# KiCad board ButterStick.kicad_pcb (continued)
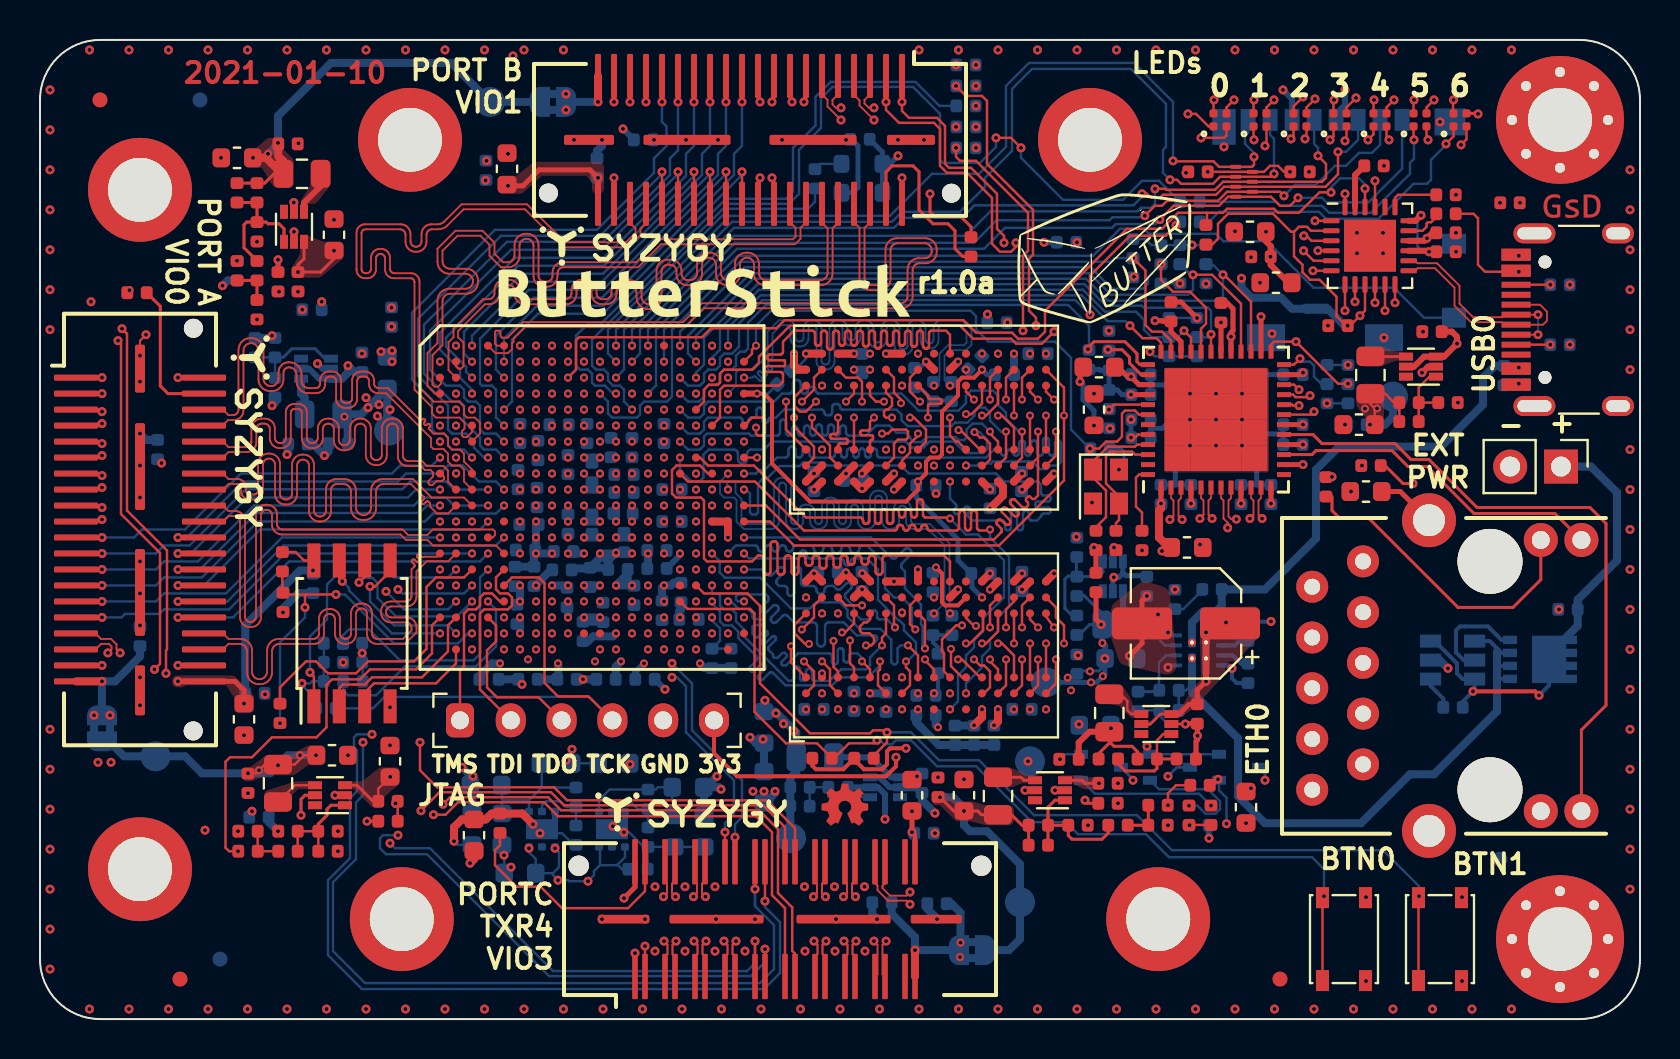
[diagram p0: board, top side]
## Routing (per net, layer and track width the routed paths; a pad name or vN(x,y) marks a point on that pad's centre or on a via; arc(x,y) is an arc through that point) (continued)
/SYZYGY1.D4_N: length 32.9
  Top w0.12: J4.15 37.5,46 v1(37.6,45.9)
  In2.Cu w0.089: v2(20,32.9) 20.38,33.27 20.38,36.95 23.15,39.72 23.65,39.72 23.73,39.72 23.81,39.69 23.88,39.64 23.94,39.58 23.99,39.51 24.02,39.43 24.03,39.35 24.03,39.2 24.03,39.17 24.04,39.13 24.06,39.11 24.08,39.08 24.11,39.06 24.14,39.05 24.18,39.05 24.38,39.05 24.41,39.05 24.44,39.06 24.47,39.08 24.49,39.11 24.51,39.13 24.52,39.17 24.53,39.2 24.53,39.35 24.53,39.43 24.56,39.51 24.61,39.58 24.67,39.64 24.74,39.69 24.82,39.72 24.9,39.72 25.15,39.72 25.23,39.72 25.31,39.69 25.38,39.64 25.44,39.58 25.49,39.51 25.52,39.43 25.53,39.35 25.53,39.2 25.53,39.17 25.54,39.13 25.56,39.11 25.58,39.08 25.61,39.06 25.64,39.05 25.68,39.05 25.88,39.05 25.91,39.05 25.94,39.06 25.97,39.08 25.99,39.11 26.01,39.13 26.02,39.17 26.03,39.2 26.03,39.35 26.03,39.43 26.06,39.51 26.11,39.58 26.17,39.64 26.24,39.69 26.32,39.72 26.4,39.72 26.65,39.72 26.73,39.72 26.81,39.69 26.88,39.64 26.94,39.58 26.99,39.51 27.02,39.43 27.03,39.35 27.03,39.2 27.03,39.17 27.04,39.13 27.06,39.11 27.08,39.08 27.11,39.06 27.14,39.05 27.18,39.05 27.38,39.05 27.41,39.05 27.44,39.06 27.47,39.08 27.49,39.11 27.51,39.13 27.52,39.17 27.53,39.2 27.53,39.35 27.53,39.43 27.56,39.51 27.61,39.58 27.67,39.64 27.74,39.69 27.82,39.72 27.9,39.72 29.25,39.72 30.75,41.22 37.3,41.22 37.78,41.7 37.78,42.47 37.77,42.51 37.76,42.55 37.74,42.58 37.71,42.61 37.68,42.63 37.64,42.65 37.6,42.65 37.42,42.65 37.33,42.66 37.25,42.69 37.17,42.74 37.11,42.8 37.06,42.88 37.03,42.96 37.02,43.05 37.02,43.1 37.03,43.19 37.06,43.27 37.11,43.35 37.17,43.41 37.25,43.46 37.33,43.49 37.42,43.5 37.6,43.5 37.64,43.5 37.68,43.52 37.71,43.54 37.74,43.57 37.76,43.6 37.77,43.64 37.78,43.67 37.78,45.72 v1(37.6,45.9)
/SYZYGY1.D4_P: length 32.9
  Top w0.12: v1(38.2,45.9) 38.3,46 J4.13
  In2.Cu w0.089: v2(20.8,33.7) 20.62,33.87 20.62,33.92 20.63,33.95 20.64,33.97 20.65,34 20.67,34.01 20.69,34.03 20.71,34.04 20.74,34.04 20.83,34.04 20.86,34.04 20.88,34.05 20.9,34.06 20.92,34.08 20.93,34.1 20.94,34.13 20.94,34.15 20.94,34.18 20.93,34.2 20.92,34.22 20.9,34.24 20.88,34.26 20.86,34.26 20.83,34.27 20.74,34.27 20.71,34.27 20.69,34.28 20.67,34.29 20.65,34.31 20.64,34.33 20.63,34.36 20.62,34.38 20.63,34.41 20.64,34.43 20.65,34.45 20.67,34.47 20.69,34.48 20.71,34.49 20.74,34.49 20.83,34.49 20.86,34.5 20.88,34.51 20.9,34.52 20.92,34.54 20.93,34.56 20.94,34.58 20.94,34.61 20.94,34.63 20.93,34.66 20.92,34.68 20.9,34.7 20.88,34.71 20.86,34.72 20.83,34.72 20.74,34.72 20.71,34.73 20.69,34.73 20.67,34.75 20.65,34.77 20.64,34.79 20.63,34.81 20.62,34.84 20.62,36.85 23.25,39.47 23.62,39.47 23.66,39.47 23.69,39.46 23.72,39.44 23.74,39.42 23.76,39.39 23.77,39.36 23.78,39.32 23.78,39.18 23.78,39.09 23.81,39.01 23.86,38.94 23.92,38.88 23.99,38.84 24.07,38.81 24.15,38.8 24.4,38.8 24.48,38.81 24.56,38.84 24.63,38.88 24.69,38.94 24.74,39.01 24.77,39.09 24.78,39.18 24.78,39.32 24.78,39.36 24.79,39.39 24.81,39.42 24.83,39.44 24.86,39.46 24.89,39.47 24.93,39.47 25.12,39.47 25.16,39.47 25.19,39.46 25.22,39.44 25.24,39.42 25.26,39.39 25.27,39.36 25.28,39.32 25.28,39.18 25.28,39.09 25.31,39.01 25.36,38.94 25.42,38.88 25.49,38.84 25.57,38.81 25.65,38.8 25.9,38.8 25.98,38.81 26.06,38.84 26.13,38.88 26.19,38.94 26.24,39.01 26.27,39.09 26.28,39.18 26.28,39.32 26.28,39.36 26.29,39.39 26.31,39.42 26.33,39.44 26.36,39.46 26.39,39.47 26.43,39.47 26.62,39.47 26.66,39.47 26.69,39.46 26.72,39.44 26.74,39.42 26.76,39.39 26.77,39.36 26.78,39.32 26.78,39.18 26.78,39.09 26.81,39.01 26.86,38.94 26.92,38.88 26.99,38.84 27.07,38.81 27.15,38.8 27.4,38.8 27.48,38.81 27.56,38.84 27.63,38.88 27.69,38.94 27.74,39.01 27.77,39.09 27.78,39.18 27.78,39.32 27.78,39.36 27.79,39.39 27.81,39.42 27.83,39.44 27.86,39.46 27.89,39.47 27.93,39.47 29.35,39.47 30.85,40.97 37.4,40.97 38.03,41.6 38.03,42.5 38.01,42.59 37.99,42.67 37.94,42.75 37.87,42.81 37.8,42.86 37.71,42.89 37.62,42.9 37.45,42.9 37.41,42.9 37.37,42.92 37.34,42.94 37.31,42.97 37.29,43 37.28,43.04 37.27,43.07 37.28,43.11 37.29,43.15 37.31,43.18 37.34,43.21 37.37,43.23 37.41,43.25 37.45,43.25 37.62,43.25 37.71,43.26 37.8,43.29 37.87,43.34 37.94,43.4 37.99,43.48 38.01,43.56 38.03,43.65 38.03,45.72 v1(38.2,45.9)
/SYZYGY1.D5_N: length 35.8
  Top w0.089: J4.16 37.5,39.87 37.78,39.6 37.78,39.15 37.65,39.02 30.95,39.02 29.8,37.87 26.14,37.87 26.03,37.86 25.92,37.82 25.82,37.76 25.74,37.68 25.68,37.58 25.64,37.47 25.62,37.36 25.62,37.2 25.62,37.13 25.6,37.07 25.56,37.01 25.51,36.97 25.46,36.93 25.39,36.91 25.32,36.9 25.22,36.9 25.16,36.91 25.09,36.93 25.04,36.97 24.99,37.01 24.95,37.07 24.93,37.13 24.93,37.2 24.93,38.73 24.91,38.86 24.87,38.98 24.8,39.09 24.71,39.18 24.6,39.24 24.49,39.29 24.36,39.3 24.29,39.3 24.16,39.29 24.05,39.24 23.94,39.18 23.85,39.09 23.78,38.98 23.74,38.86 23.72,38.73 23.72,38.22 23.72,38.15 23.69,38.07 23.65,38.01 23.59,37.95 23.53,37.91 23.45,37.88 23.38,37.87 23.15,37.87 22.72,38.3 22.72,38.85 22.13,39.45 20.77,39.45 19.88,38.55 19.88,37.89 19.89,37.76 19.93,37.63 20,37.52 20.1,37.43 20.21,37.36 20.33,37.31 20.46,37.3 21.28,37.3 21.36,37.29 21.44,37.26 21.51,37.22 21.57,37.16 21.61,37.09 21.64,37.01 21.65,36.92 21.64,36.84 21.61,36.76 21.57,36.69 21.51,36.63 21.44,36.59 21.36,36.56 21.28,36.55 20.46,36.55 20.33,36.54 20.21,36.49 20.1,36.42 20,36.33 19.93,36.22 19.89,36.09 19.88,35.96 19.88,33.83 19.38,33.33 19.38,31.67 19.75,31.3 U4.D1
/SYZYGY1.D5_P: length 35.8
  Top w0.089: J4.14 38.3,39.87 38.03,39.6 38.03,39.05 37.75,38.77 31.05,38.77 29.9,37.62 26.18,37.62 26.11,37.62 26.04,37.6 25.99,37.56 25.94,37.51 25.9,37.46 25.88,37.39 25.88,37.32 25.88,37.17 25.86,37.05 25.82,36.94 25.76,36.85 25.68,36.76 25.58,36.7 25.47,36.66 25.36,36.65 25.19,36.65 25.08,36.66 24.97,36.7 24.87,36.76 24.79,36.85 24.73,36.94 24.69,37.05 24.68,37.17 24.68,38.7 24.67,38.78 24.64,38.85 24.6,38.92 24.54,38.97 24.48,39.02 24.4,39.04 24.32,39.05 24.25,39.04 24.17,39.02 24.11,38.97 24.05,38.92 24.01,38.85 23.98,38.78 23.97,38.7 23.97,38.19 23.96,38.06 23.92,37.95 23.85,37.84 23.76,37.75 23.65,37.68 23.54,37.64 23.41,37.62 23.05,37.62 22.47,38.2 22.47,38.75 22.02,39.2 20.88,39.2 20.12,38.45 20.12,37.92 20.13,37.84 20.16,37.76 20.21,37.69 20.27,37.63 20.34,37.59 20.42,37.56 20.5,37.55 21.31,37.55 21.44,37.54 21.57,37.49 21.68,37.42 21.77,37.33 21.84,37.22 21.89,37.09 21.9,36.96 21.9,36.89 21.89,36.76 21.84,36.63 21.77,36.52 21.68,36.43 21.57,36.36 21.44,36.31 21.31,36.3 20.5,36.3 20.42,36.29 20.34,36.26 20.27,36.22 20.21,36.16 20.16,36.09 20.13,36.01 20.12,35.92 20.12,33.73 19.62,33.23 19.62,31.75 19.72,31.65 19.9,31.65 20.05,31.8 20.05,32.05 U4.C1
/SYZYGY1.D6_N: length 32.9
  Top w0.12: J4.19 35.9,46 v1(36,45.9)
  In2.Cu w0.089: v2(21.6,30.5) 21.2,30.9 21.2,31.95 20.95,32.2 20.88,32.2 20.85,32.2 20.83,32.19 20.8,32.18 20.79,32.16 20.77,32.14 20.76,32.11 20.76,32.09 20.76,31.86 20.76,31.83 20.75,31.81 20.74,31.79 20.72,31.77 20.7,31.75 20.67,31.75 20.65,31.74 20.62,31.75 20.6,31.75 20.58,31.77 20.56,31.79 20.54,31.81 20.54,31.83 20.53,31.86 20.53,32.09 20.53,32.11 20.52,32.14 20.51,32.16 20.49,32.18 20.47,32.19 20.44,32.2 20.42,32.2 20.39,32.2 20.37,32.19 20.35,32.18 20.33,32.16 20.32,32.14 20.31,32.11 20.31,32.09 20.31,31.86 20.3,31.83 20.29,31.81 20.28,31.79 20.26,31.77 20.24,31.75 20.22,31.75 20.19,31.74 20.17,31.75 20.14,31.75 20.12,31.77 20.1,31.79 20.09,31.81 20.08,31.83 20.08,31.86 20.08,32.09 20.07,32.11 20.07,32.14 20.05,32.16 20.03,32.18 20.01,32.19 19.99,32.2 19.96,32.2 19.67,32.2 19.22,32.65 19.22,37 22.75,40.52 28.05,40.52 30.85,43.32 35.55,43.32 36.18,43.95 36.18,45.72 v1(36,45.9)
/SYZYGY1.D6_P: length 32.9
  Top w0.12: J4.17 36.7,46 v1(36.6,45.9)
  In2.Cu w0.089: v2(22.4,29.7) 22,30.1 22,32.2 21.75,32.45 19.78,32.45 19.47,32.75 19.47,36.9 22.85,40.27 28.15,40.27 30.95,43.07 35.65,43.07 36.43,43.85 36.43,45.72 v1(36.6,45.9)
/SYZYGY1.D7_N: length 32.9
  Top w0.12: J4.20 35.9,42 v1(36,42.1)
  In5.Cu w0.089: v1(36,42.1) 36.18,41.92 36.18,40.45 35.2,39.47 32.8,39.47 32.74,39.48 32.68,39.5 32.63,39.53 32.58,39.58 32.55,39.63 32.53,39.69 32.53,39.75 32.53,40.21 32.51,40.32 32.48,40.43 32.42,40.52 32.34,40.6 32.24,40.66 32.14,40.69 32.03,40.71 31.97,40.71 31.86,40.69 31.76,40.66 31.66,40.6 31.58,40.52 31.52,40.43 31.49,40.32 31.47,40.21 31.47,39.75 31.47,39.69 31.45,39.63 31.42,39.58 31.37,39.53 31.32,39.5 31.26,39.48 31.2,39.47 31.14,39.48 31.08,39.5 31.03,39.53 30.98,39.58 30.95,39.63 30.93,39.69 30.93,39.75 30.93,40.21 30.91,40.32 30.88,40.43 30.82,40.52 30.74,40.6 30.64,40.66 30.54,40.69 30.43,40.71 30.37,40.71 30.26,40.69 30.16,40.66 30.06,40.6 29.98,40.52 29.92,40.43 29.89,40.32 29.88,40.21 29.88,39.75 29.87,39.69 29.85,39.63 29.82,39.58 29.77,39.53 29.72,39.5 29.66,39.48 29.6,39.47 27.7,39.47 26.76,38.53 26.68,38.43 26.62,38.31 26.59,38.18 26.59,38.05 26.62,37.92 26.68,37.8 26.76,37.7 26.87,37.59 26.92,37.52 26.96,37.45 26.98,37.36 26.98,37.28 26.96,37.2 26.92,37.12 26.87,37.06 26.81,37 26.73,36.97 26.65,36.95 26.56,36.95 26.48,36.97 26.41,37 26.34,37.06 25.43,37.97 25.33,38.05 25.21,38.11 25.08,38.14 24.95,38.14 24.82,38.11 24.7,38.05 24.6,37.97 24.55,37.92 24.47,37.81 24.41,37.69 24.38,37.56 24.38,37.43 24.41,37.3 24.47,37.19 24.55,37.08 24.66,36.97 24.71,36.9 24.75,36.83 24.77,36.75 24.77,36.66 24.75,36.58 24.71,36.5 24.66,36.44 23.6,35.37 21.35,35.37 19.28,33.3 19.28,31.85 20,31.12 v2(20,30.5)
/SYZYGY1.D7_P: length 32.9
  Top w0.12: v1(36.6,42.1) 36.7,42 J4.18
  In5.Cu w0.089: v2(20.8,31.3) 20.18,31.3 20.11,31.36 20.1,31.38 20.09,31.4 20.09,31.42 20.09,31.44 20.09,31.46 20.1,31.47 20.13,31.51 20.14,31.52 20.14,31.54 20.14,31.56 20.14,31.58 20.13,31.6 20.12,31.62 20.1,31.63 20.08,31.64 20.06,31.64 20.04,31.64 20.02,31.64 20,31.63 19.97,31.6 19.95,31.59 19.93,31.59 19.91,31.59 19.9,31.59 19.88,31.6 19.86,31.62 19.53,31.95 19.53,33.2 21.45,35.12 23.7,35.12 24.86,36.29 24.95,36.39 25,36.51 25.03,36.64 25.03,36.77 25,36.9 24.95,37.02 24.86,37.12 24.75,37.23 24.7,37.3 24.66,37.38 24.64,37.46 24.64,37.54 24.66,37.62 24.7,37.7 24.75,37.76 24.82,37.82 24.89,37.85 24.97,37.87 25.06,37.87 25.14,37.85 25.21,37.82 25.28,37.76 26.19,36.85 26.29,36.77 26.41,36.72 26.54,36.69 26.67,36.69 26.8,36.72 26.92,36.77 27.02,36.85 27.07,36.91 27.16,37.01 27.21,37.13 27.24,37.26 27.24,37.39 27.21,37.52 27.16,37.64 27.07,37.74 26.96,37.85 26.91,37.92 26.87,37.99 26.85,38.08 26.85,38.16 26.87,38.24 26.91,38.32 26.96,38.38 27.8,39.22 29.63,39.22 29.74,39.24 29.84,39.27 29.94,39.33 30.02,39.41 30.08,39.51 30.11,39.61 30.12,39.72 30.12,40.18 30.13,40.24 30.15,40.3 30.18,40.35 30.23,40.4 30.28,40.43 30.34,40.45 30.4,40.46 30.46,40.45 30.52,40.43 30.57,40.4 30.62,40.35 30.65,40.3 30.67,40.24 30.68,40.18 30.68,39.72 30.69,39.61 30.72,39.51 30.78,39.41 30.86,39.33 30.96,39.27 31.06,39.24 31.17,39.22 31.23,39.22 31.34,39.24 31.44,39.27 31.54,39.33 31.62,39.41 31.68,39.51 31.71,39.61 31.72,39.72 31.72,40.18 31.73,40.24 31.75,40.3 31.78,40.35 31.83,40.4 31.88,40.43 31.94,40.45 32,40.46 32.06,40.45 32.12,40.43 32.17,40.4 32.22,40.35 32.25,40.3 32.27,40.24 32.28,40.18 32.28,39.72 32.29,39.61 32.32,39.51 32.38,39.41 32.46,39.33 32.56,39.27 32.66,39.24 32.77,39.22 35.3,39.22 36.43,40.35 36.43,41.92 v1(36.6,42.1)
/SYZYGY1.P2C_CLK_N: length 32.9
  Top w0.12: J4.35 v1(29.5,45.9)
  In5.Cu w0.089: v2(20.8,30.5) 21.18,30.12 21.18,29.57 20.9,29.3 19.03,29.3 18.53,29.8 18.53,38.1 19.55,39.12 20.23,39.12 20.36,39.11 20.48,39.07 20.59,39 20.68,38.91 20.74,38.8 20.79,38.69 20.8,38.56 20.8,37.9 20.81,37.82 20.83,37.74 20.88,37.68 20.93,37.62 21,37.58 21.07,37.55 21.15,37.55 21.23,37.55 21.3,37.58 21.37,37.62 21.42,37.68 21.47,37.74 21.49,37.82 21.5,37.9 21.5,38.56 21.51,38.69 21.56,38.8 21.62,38.91 21.71,39 21.82,39.07 21.94,39.11 22.07,39.12 24.7,39.12 26.5,40.92 28.65,40.92 29.78,42.05 29.78,45.62 v1(29.5,45.9)
/SYZYGY1.P2C_CLK_P: length 32.9
  Top w0.12: J4.33 v1(30.3,45.9)
  In5.Cu w0.089: v1(30.3,45.9) 30.03,45.62 30.03,41.95 28.75,40.67 26.6,40.67 24.8,38.87 22.1,38.87 22.02,38.87 21.95,38.84 21.88,38.8 21.83,38.74 21.78,38.68 21.76,38.6 21.75,38.52 21.75,37.86 21.74,37.74 21.69,37.62 21.63,37.51 21.54,37.42 21.43,37.35 21.31,37.31 21.18,37.3 21.12,37.3 20.99,37.31 20.87,37.35 20.76,37.42 20.67,37.51 20.61,37.62 20.56,37.74 20.55,37.86 20.55,38.52 20.54,38.6 20.52,38.68 20.47,38.74 20.42,38.8 20.35,38.84 20.28,38.87 20.2,38.87 19.65,38.87 18.78,38 18.78,29.87 19,29.65 19.08,29.65 19.12,29.7 19.12,30.11 19.2,30.19 19.28,30.19 19.35,30.11 19.35,29.57 19.42,29.5 19.53,29.5 19.6,29.57 19.6,29.95 19.75,30.1 20.12,30.1 20.28,30.25 20.47,30.25 20.62,30.1 20.72,30.1 20.8,30.02 v2(20.8,29.7)
/SYZYGY1.R_GA: length 9.5
  Top w0.15: R2.1 46.13,38.16 45.75,38.55 45.75,39.45 45.4,39.8 44.65,39.8 43.95,40.5 43.95,42.4 43.65,42.7 42.6,42.7 42.3,42.4 J4.4
/SYZYGY1.S16: length 21.2
  Top w0.12: J4.21 v1(35.1,45.9)
  Bottom w0.12: v2(23.2,32.9) 23.2,34.05 24.85,35.7 28.15,35.7 34.7,42.25 34.7,43.3 35.1,43.7 v1(35.1,45.9)
/SYZYGY1.S17: length 20.3
  Top w0.12: J4.22 v1(35.1,42.4)
  Bottom w0.12: v2(23.2,30.5) 23.6,30.9 23.6,34 24.9,35.3 28.15,35.3 35.1,42.25 v1(35.1,42.4)
/SYZYGY1.S18: length 25.6
  Top w0.12: J4.23 v1(34.3,45.9)
  Bottom w0.12: v1(34.3,45.9) 34.3,43.7 33.9,43.3 33.9,42.25 28.15,36.5 24.45,36.5 22,34.05 22,31.8 22.1,31.7 22.6,31.7 22.8,31.5 22.8,30.1 v2(23.2,29.7)
/SYZYGY1.S19: length 18.8
  Top w0.12: J4.24 v1(34.3,42.4)
  Bottom w0.12: v2(23.2,32.1) 22.8,32.5 22.8,34.2 24.7,36.1 28.1,36.1 34.3,42.3 v1(34.3,42.4)
/SYZYGY1.S20: length 21.9
  Top w0.12: J4.25 v1(33.5,45.9)
  Bottom w0.12: v1(33.5,45.9) 33.5,43.7 33.1,43.3 33.1,42.25 28.15,37.3 24.1,37.3 21.2,34.4 21.2,33.3 v2(21.6,32.9)
/SYZYGY1.S21: length 17.5
  Top w0.12: J4.26 v1(33.5,42.4)
  Bottom w0.12: v1(33.5,42.4) 33.5,42.3 28.1,36.9 24.3,36.9 21.6,34.2 v2(21.6,33.7)
/SYZYGY1.S22: length 24.4
  Top w0.12: J4.27 v1(32.7,45.9)
  Bottom w0.12: v2(21.6,31.3) 21.6,31.5 21,32.1 21,32.5 20,33.5 20,34.35 23.75,38.1 28.2,38.1 32.3,42.2 32.3,43.3 32.7,43.7 v1(32.7,45.9)
/SYZYGY1.S23: length 20.1
  Top w0.12: J4.28 v1(32.7,42.4)
  Bottom w0.12: v2(21.6,32.1) 21.3,32.4 21.3,32.65 20.3,33.65 20.3,34.1 23.9,37.7 28.2,37.7 32.7,42.2 v1(32.7,42.4)
/SYZYGY1.S24: length 29.4
  Top w0.12: J4.29 v1(31.9,45.9)
  Bottom w0.12: v2(23.2,28.1) 22.8,28.5 22.2,28.5 22,28.7 22,29.1 21.2,29.9 21.2,30.7 21,30.9 20.6,30.9 19.2,32.3 19.2,34.75 23.35,38.9 28.15,38.9 31.5,42.25 31.5,43.07 31.9,43.47 v1(31.9,45.9)
/SYZYGY1.S25: length 25.4
  Top w0.12: J4.30 v1(31.9,42.4)
  Bottom w0.12: v2(23.2,28.9) 22.8,29.3 22.2,29.3 22,29.5 22,30.7 21.8,30.9 21.4,30.9 21.2,31.1 21.2,31.5 21,31.7 20.3,31.7 19.5,32.5 19.5,34.45 23.55,38.5 28.1,38.5 31.9,42.3 v1(31.9,42.4)
/SYZYGY1.S26: length 29.3
  Top w0.12: J4.31 v1(31.1,45.9)
  Bottom w0.12: v2(21.6,28.1) 21.2,28.5 20.6,28.5 20.4,28.7 20.4,29.1 20.2,29.3 19.8,29.3 19.6,29.5 19.6,31 18.6,32 18.6,35.35 22.75,39.5 27.85,39.5 30.7,42.35 30.7,43.07 31.32,43.7 31.32,44.67 31.1,44.9 v1(31.1,45.9)
/SYZYGY1.S27: length 25.8
  Top w0.12: J4.32 v1(31.1,42.4)
  Bottom w0.12: v1(31.1,42.4) 31.1,42.3 28,39.2 23.05,39.2 18.9,35.05 18.9,32.2 20.4,30.7 20.4,29.5 20.6,29.3 21.3,29.3 21.7,28.9 21.7,28.6 22.2,28.1 v2(22.4,28.1)
/SYZYGY1.VIO1: length 7.5
  Top w0.4: J4.39 v1(27.9,45.9)
  In3.Cu w0.12: 21.6,40.2 20,38.6 ; 25.2,44.4 v1(26.3,45.5)
  Bottom w0.3: v1(22.28,41.97) 22.29,41.99 C158.1 ; C161.1 v1(17.58,35.6) ; v1(29.15,44.55) 29.69,44.01 C162.1
  Bottom w0.4: JP2.2 v1(27.9,45.9)
  vias: v1(26.3,46.3) v2(24,28.1) v2(24,27.3) v2(24.8,28.1)
/SYZYGY2.C2P_CLK_N: length 39.6
  Top w0.089: J5.36 42.25,6.8 42.12,6.67 42.12,6.55 42.5,6.17 43.32,6.17 v1(43.5,6.36)
  In5.Cu w0.089: 34.12,18.37 34.12,18.4 34.12,17.2 37.68,13.65 39.78,13.65 42.97,10.45 42.97,6.35 43.15,6.17 43.32,6.17 v1(43.5,6.36)
  In5.Cu w0.12: 34.12,18.4 34.12,18.62 34,18.75 34,19.5 33.8,19.7 33.4,19.7 33.2,19.9 33.2,20.3 33,20.5 32.6,20.5 31.8,21.3 31,21.3 30.8,21.5 30.8,21.9 30.45,22.25 30.01,22.25 29.2,23.06 29.2,29.85 28.95,30.1 28.68,30.1 28.4,30.37 28.4,31.5 28.2,31.7 27.8,31.7 27.6,31.9 27.6,32.2 27.2,32.6 v2(27.2,32.9)
/SYZYGY2.C2P_CLK_P: length 41.7
  Top w0.089: J5.34 41.75,6.81 41.88,6.68 41.88,6.45 42.4,5.92 43.32,5.92 v1(43.5,5.74)
  In5.Cu w0.089: v1(43.5,5.74) 43.32,5.92 43.05,5.92 42.72,6.25 42.72,10.35 39.67,13.4 37.57,13.4 33.88,17.1 33.88,18.4
  In5.Cu w0.12: 33.88,18.4 33.88,18.5 33.2,19.17 33.2,19.5 33,19.7 32.6,19.7 32.4,19.9 32.4,20.3 32.2,20.5 31,20.5 30.8,20.7 30.8,21.1 30.6,21.3 30.2,21.3 30,21.5 30,21.85 29.35,22.5 28.85,22.5 28.4,22.95 28.4,29.82 28.12,30.1 27.88,30.1 27.6,30.37 27.6,31.5 27.4,31.7 27,31.7 26.8,31.9 26.8,33.3 v2(26.4,33.7)
/SYZYGY2.P2C_CLK_N: length 43.1
  Top w0.089: v1(42.31,3.9) 42.12,3.72 42.12,2.25 J5.35
  In5.Cu w0.089: v1(42.31,3.9) 42.12,4.08 42.12,4.15 42.65,4.67 43.65,4.67 44.32,5.35 44.32,10.65 40.1,14.87 38.45,14.87 36.55,16.77 35.95,16.77 34.93,17.8 34.93,18.62
  In5.Cu w0.12: v2(28,33.7) 28.4,33.3 28.4,32.7 28.6,32.5 29,32.5 29.2,32.3 29.2,31.9 29.4,31.7 29.8,31.7 30,31.5 30,30.37 30.28,30.1 30.6,30.1 30.8,29.9 30.8,23 31.75,22.05 32.65,22.05 33.4,21.3 33.7,21.3 34,21 34,20.7 34.2,20.5 34.6,20.5 34.8,20.3 34.8,19.9 35.1,19.6 35.1,18.9 34.93,18.72 34.93,18.62
/SYZYGY2.P2C_CLK_P: length 43.6
  Top w0.089: v1(41.69,3.9) 41.88,3.72 41.88,2.25 J5.33
  In5.Cu w0.089: 34.68,18.62 34.68,17.7 35.85,16.52 36.45,16.52 38.35,14.62 40,14.62 44.07,10.55 44.07,5.45 43.55,4.92 42.55,4.92 41.88,4.25 41.88,4.08 v1(41.69,3.9)
  In5.Cu w0.12: 34.68,18.62 34.68,18.87 34.8,19 34.8,19.5 34.6,19.7 34.2,19.7 34,19.9 34,20.3 33.8,20.5 33.4,20.5 33.2,20.7 33.2,21.1 32.51,21.79 31.61,21.79 30.8,22.6 30.3,22.6 30,22.9 30,29.85 29.75,30.1 29.47,30.1 29.2,30.37 29.2,31.5 29,31.7 28.6,31.7 28.4,31.9 28.4,32.3 28.2,32.5 27.8,32.5 27.6,32.7 27.6,33.3 v2(27.2,33.7)
/SYZYGY2.R_GA: length 11.9
  Top w0.12: J5.4 30.25,6.4 29.4,5.55 26.1,5.55 25.03,6.62 23.82,6.62 22.75,7.7 22.75,8.45 23,8.7 R3.1
/SYZYGY2.REFCLK_N: length 27.8
  Top w0.1: J5.15 34.75,3.12 34.62,3.25 34.62,3.72 v1(34.8,3.9)
  In5.Cu w0.089: v2(28.8,18.5) 28.53,18.22 28.53,17.15 27.43,16.05 27.43,13.55 29.07,11.91 29.09,11.89 29.12,11.87 29.16,11.87 29.19,11.87 29.22,11.87 29.25,11.89 29.28,11.91 29.38,12.01 29.45,12.06 29.52,12.1 29.61,12.12 29.69,12.12 29.77,12.1 29.85,12.06 29.91,12.01 30.2,11.73 30.25,11.66 30.28,11.59 30.3,11.51 30.3,11.42 30.28,11.34 30.25,11.26 30.2,11.2 29.51,10.51 29.47,10.46 29.44,10.4 29.43,10.34 29.43,10.27 29.44,10.21 29.47,10.15 29.51,10.09 29.55,10.05 29.6,10.01 29.66,9.98 29.73,9.97 29.79,9.97 29.86,9.98 29.92,10.01 29.97,10.05 30.66,10.74 30.72,10.79 30.8,10.83 30.88,10.85 30.96,10.85 31.04,10.83 31.12,10.79 31.19,10.74 31.47,10.46 31.52,10.39 31.56,10.32 31.58,10.23 31.58,10.15 31.56,10.07 31.52,9.99 31.47,9.93 30.48,8.94 30.44,8.89 30.41,8.82 30.39,8.75 30.39,8.68 30.41,8.61 30.44,8.54 30.48,8.48 30.54,8.44 30.61,8.41 30.68,8.39 30.75,8.39 30.82,8.41 30.89,8.44 30.94,8.48 31.63,9.17 31.63,9.17 31.93,9.47 32,9.52 32.07,9.55 32.15,9.57 32.24,9.57 32.32,9.55 32.39,9.52 32.46,9.47 32.74,9.18 32.8,9.12 32.83,9.04 32.85,8.96 32.85,8.88 32.83,8.79 32.8,8.72 32.74,8.65 32.64,8.55 32.62,8.52 32.6,8.49 32.6,8.46 32.6,8.43 32.6,8.39 32.62,8.36 32.64,8.34 33.35,7.62 34.15,7.62 34.62,7.15 34.62,4.07 v1(34.8,3.9)
/SYZYGY2.REFCLK_P: length 27.8
  Top w0.1: v1(34.2,3.9) 34.38,3.72 34.38,3.25 34.25,3.12 J5.13
  In5.Cu w0.089: v1(34.2,3.9) 34.38,4.07 34.38,7.05 34.05,7.37 33.25,7.37 32.45,8.18 32.39,8.24 32.36,8.32 32.34,8.4 32.34,8.48 32.36,8.57 32.39,8.64 32.45,8.71 32.55,8.81 32.57,8.84 32.58,8.87 32.59,8.9 32.59,8.93 32.58,8.97 32.57,9 32.55,9.02 32.3,9.27 32.27,9.29 32.24,9.31 32.21,9.31 32.18,9.31 32.15,9.31 32.12,9.29 32.09,9.27 31.81,8.99 31.81,8.99 31.1,8.28 31,8.21 30.89,8.15 30.78,8.13 30.65,8.13 30.54,8.15 30.43,8.21 30.33,8.28 30.28,8.33 30.21,8.42 30.16,8.53 30.13,8.65 30.13,8.77 30.16,8.89 30.21,9 30.28,9.1 31.28,10.09 31.3,10.11 31.31,10.14 31.32,10.17 31.32,10.21 31.31,10.24 31.3,10.27 31.28,10.3 31.02,10.55 31,10.57 30.97,10.58 30.94,10.59 30.9,10.59 30.87,10.58 30.84,10.57 30.82,10.55 30.13,9.86 30.03,9.78 29.93,9.73 29.82,9.71 29.7,9.71 29.59,9.73 29.49,9.78 29.4,9.86 29.31,9.94 29.24,10.03 29.19,10.13 29.16,10.25 29.16,10.36 29.19,10.47 29.24,10.58 29.31,10.67 30,11.36 30.02,11.39 30.04,11.42 30.05,11.45 30.05,11.48 30.04,11.51 30.02,11.54 30,11.57 29.75,11.82 29.73,11.84 29.7,11.85 29.66,11.86 29.63,11.86 29.6,11.85 29.57,11.84 29.54,11.82 29.44,11.71 29.37,11.66 29.3,11.63 29.22,11.61 29.13,11.61 29.05,11.63 28.97,11.66 28.91,11.71 27.18,13.45 27.18,16.15 28.28,17.25 28.28,18.22 v2(28,18.5)
/SYZYGY2.RX0_N: length 27.8
  Top w0.1: J5.7 31.75,3.12 31.62,3.25 31.62,3.72 v1(31.8,3.9)
  In5.Cu w0.089: v2(24,18.5) 23.72,18.22 23.72,17.15 22.43,15.85 22.43,7.75 23.46,6.71 23.54,6.62 23.59,6.51 23.62,6.39 23.62,6.27 23.59,6.15 23.54,6.04 23.46,5.95 22.61,5.1 22.57,5.04 22.53,4.98 22.52,4.9 22.52,4.83 22.53,4.76 22.57,4.69 22.61,4.64 22.67,4.59 22.73,4.56 22.8,4.54 22.88,4.54 22.95,4.56 23.01,4.59 23.07,4.64 23.92,5.49 24.02,5.56 24.13,5.62 24.24,5.64 24.37,5.64 24.48,5.62 24.59,5.56 24.69,5.49 25.65,4.52 31.35,4.52 31.62,4.25 31.62,4.07 v1(31.8,3.9)
/SYZYGY2.RX0_P: length 27.8
  Top w0.1: J5.5 31.25,3.12 31.38,3.25 31.38,3.72 v1(31.2,3.9)
  In5.Cu w0.089: v2(23.2,18.5) 23.47,18.22 23.47,17.25 22.18,15.95 22.18,7.65 23.26,6.56 23.31,6.5 23.34,6.44 23.35,6.37 23.35,6.3 23.34,6.22 23.31,6.16 23.26,6.1 22.41,5.25 22.33,5.16 22.28,5.05 22.26,4.93 22.26,4.81 22.28,4.69 22.33,4.58 22.41,4.48 22.46,4.44 22.55,4.36 22.66,4.31 22.78,4.28 22.9,4.28 23.02,4.31 23.13,4.36 23.22,4.44 24.07,5.29 24.13,5.33 24.2,5.37 24.27,5.38 24.34,5.38 24.41,5.37 24.48,5.33 24.53,5.29 25.55,4.27 31.25,4.27 31.38,4.15 31.38,4.07 v1(31.2,3.9)
/SYZYGY2.RX1_N: length 27.8
  Top w0.1: J5.11 33.25,3.12 33.12,3.25 33.12,3.72 v1(33.3,3.9)
  In5.Cu w0.089: v2(25.6,18.5) 25.32,18.22 25.32,16.75 24.93,16.35 24.93,13.29 24.91,13.17 24.87,13.06 24.81,12.95 24.72,12.87 24.62,12.8 24.5,12.76 24.38,12.75 24.15,12.75 24.07,12.74 24.01,12.72 23.94,12.68 23.89,12.63 23.85,12.57 23.83,12.5 23.82,12.42 23.83,12.35 23.85,12.28 23.89,12.22 23.94,12.17 24.01,12.13 24.07,12.11 24.15,12.1 26.49,12.1 26.61,12.09 26.72,12.05 26.82,11.98 26.91,11.9 26.98,11.79 27.02,11.68 27.03,11.56 27.03,11.49 27.02,11.37 26.98,11.26 26.91,11.15 26.82,11.07 26.72,11 26.61,10.96 26.49,10.95 25.25,10.95 25.18,10.94 25.11,10.92 25.05,10.88 25,10.83 24.96,10.77 24.93,10.7 24.93,10.62 24.93,10.45 25.65,9.72 27.95,9.72 28.72,8.95 28.72,7.7 31.15,5.27 32.65,5.27 33.12,4.8 33.12,4.07 v1(33.3,3.9)
/SYZYGY2.RX1_P: length 27.8
  Top w0.1: J5.9 32.75,3.12 32.88,3.25 32.88,3.72 v1(32.7,3.9)
  In5.Cu w0.089: v2(24.8,18.5) 25.07,18.22 25.07,16.85 24.68,16.45 24.68,13.32 24.67,13.25 24.64,13.18 24.6,13.12 24.55,13.07 24.49,13.03 24.42,13.01 24.35,13 24.11,13 23.99,12.99 23.88,12.95 23.78,12.88 23.69,12.8 23.62,12.69 23.58,12.58 23.57,12.46 23.57,12.39 23.58,12.27 23.62,12.16 23.69,12.05 23.78,11.97 23.88,11.9 23.99,11.86 24.11,11.85 26.45,11.85 26.53,11.84 26.59,11.82 26.66,11.78 26.71,11.73 26.75,11.67 26.77,11.6 26.78,11.52 26.77,11.45 26.75,11.38 26.71,11.32 26.66,11.27 26.59,11.23 26.53,11.21 26.45,11.2 25.22,11.2 25.1,11.19 24.98,11.15 24.88,11.08 24.79,11 24.73,10.89 24.69,10.78 24.68,10.66 24.68,10.35 25.55,9.47 27.85,9.47 28.47,8.85 28.47,7.6 31.05,5.02 32.55,5.02 32.88,4.7 32.88,4.07 v1(32.7,3.9)
/SYZYGY2.RX2_N: length 27.8
  Top w0.1: v1(39.3,3.9) 39.12,3.72 39.12,3.25 39.25,3.12 J5.27
  In5.Cu w0.089: v1(39.3,3.9) 39.12,4.07 39.12,4.7 38.75,5.07 38,5.07 36.53,6.55 36.53,7.72 36.53,7.8 36.56,7.87 36.6,7.93 36.65,7.98 36.71,8.02 36.78,8.04 36.85,8.05 38.28,8.05 38.4,8.06 38.52,8.1 38.62,8.17 38.71,8.25 38.77,8.36 38.81,8.47 38.82,8.59 38.82,8.66 38.81,8.78 38.77,8.89 38.71,9 38.62,9.08 38.52,9.15 38.4,9.19 38.28,9.2 36.85,9.2 36.78,9.21 36.71,9.23 36.65,9.27 36.6,9.32 36.56,9.38 36.53,9.45 36.53,9.52 36.53,9.85 36.05,10.32 33.55,10.32 33.29,10.59 33.25,10.64 33.22,10.69 33.21,10.75 33.21,10.81 33.22,10.87 33.25,10.93 33.29,10.98 33.4,11.09 33.47,11.17 33.52,11.27 33.54,11.38 33.54,11.49 33.52,11.6 33.47,11.7 33.4,11.79 33.28,11.9 33.2,11.97 33.1,12.02 32.99,12.04 32.88,12.04 32.77,12.02 32.67,11.97 32.59,11.9 32.48,11.79 32.43,11.75 32.37,11.73 32.31,11.71 32.25,11.71 32.19,11.73 32.13,11.75 32.09,11.79 30.03,13.85 30.03,16.05 30.93,16.95 30.93,18.22 v2(31.2,18.5)
/SYZYGY2.RX2_P: length 27.8
  Top w0.1: v1(38.7,3.9) 38.88,3.72 38.88,3.25 38.75,3.12 J5.25
  In5.Cu w0.089: v2(30.4,18.5) 30.68,18.22 30.68,17.05 29.78,16.15 29.78,13.75 31.93,11.59 32.02,11.52 32.12,11.48 32.23,11.45 32.34,11.45 32.44,11.48 32.54,11.52 32.63,11.59 32.74,11.7 32.79,11.74 32.84,11.77 32.9,11.78 32.97,11.78 33.03,11.77 33.08,11.74 33.13,11.7 33.2,11.63 33.24,11.58 33.27,11.53 33.28,11.47 33.28,11.41 33.27,11.35 33.24,11.29 33.2,11.24 33.09,11.13 33.02,11.05 32.97,10.95 32.95,10.84 32.95,10.73 32.97,10.62 33.02,10.52 33.09,10.43 33.45,10.07 35.95,10.07 36.28,9.75 36.28,9.49 36.29,9.37 36.33,9.26 36.39,9.15 36.48,9.07 36.58,9 36.7,8.96 36.82,8.95 38.25,8.95 38.32,8.94 38.39,8.92 38.45,8.88 38.5,8.83 38.54,8.77 38.57,8.7 38.57,8.62 38.57,8.55 38.54,8.48 38.5,8.42 38.45,8.37 38.39,8.33 38.32,8.31 38.25,8.3 36.82,8.3 36.7,8.29 36.58,8.25 36.48,8.18 36.39,8.1 36.33,7.99 36.29,7.88 36.28,7.76 36.28,6.45 37.9,4.82 38.65,4.82 38.88,4.6 38.88,4.07 v1(38.7,3.9)